# KiCad board H.A.V.O.C. PCB V 1.0.kicad_pcb
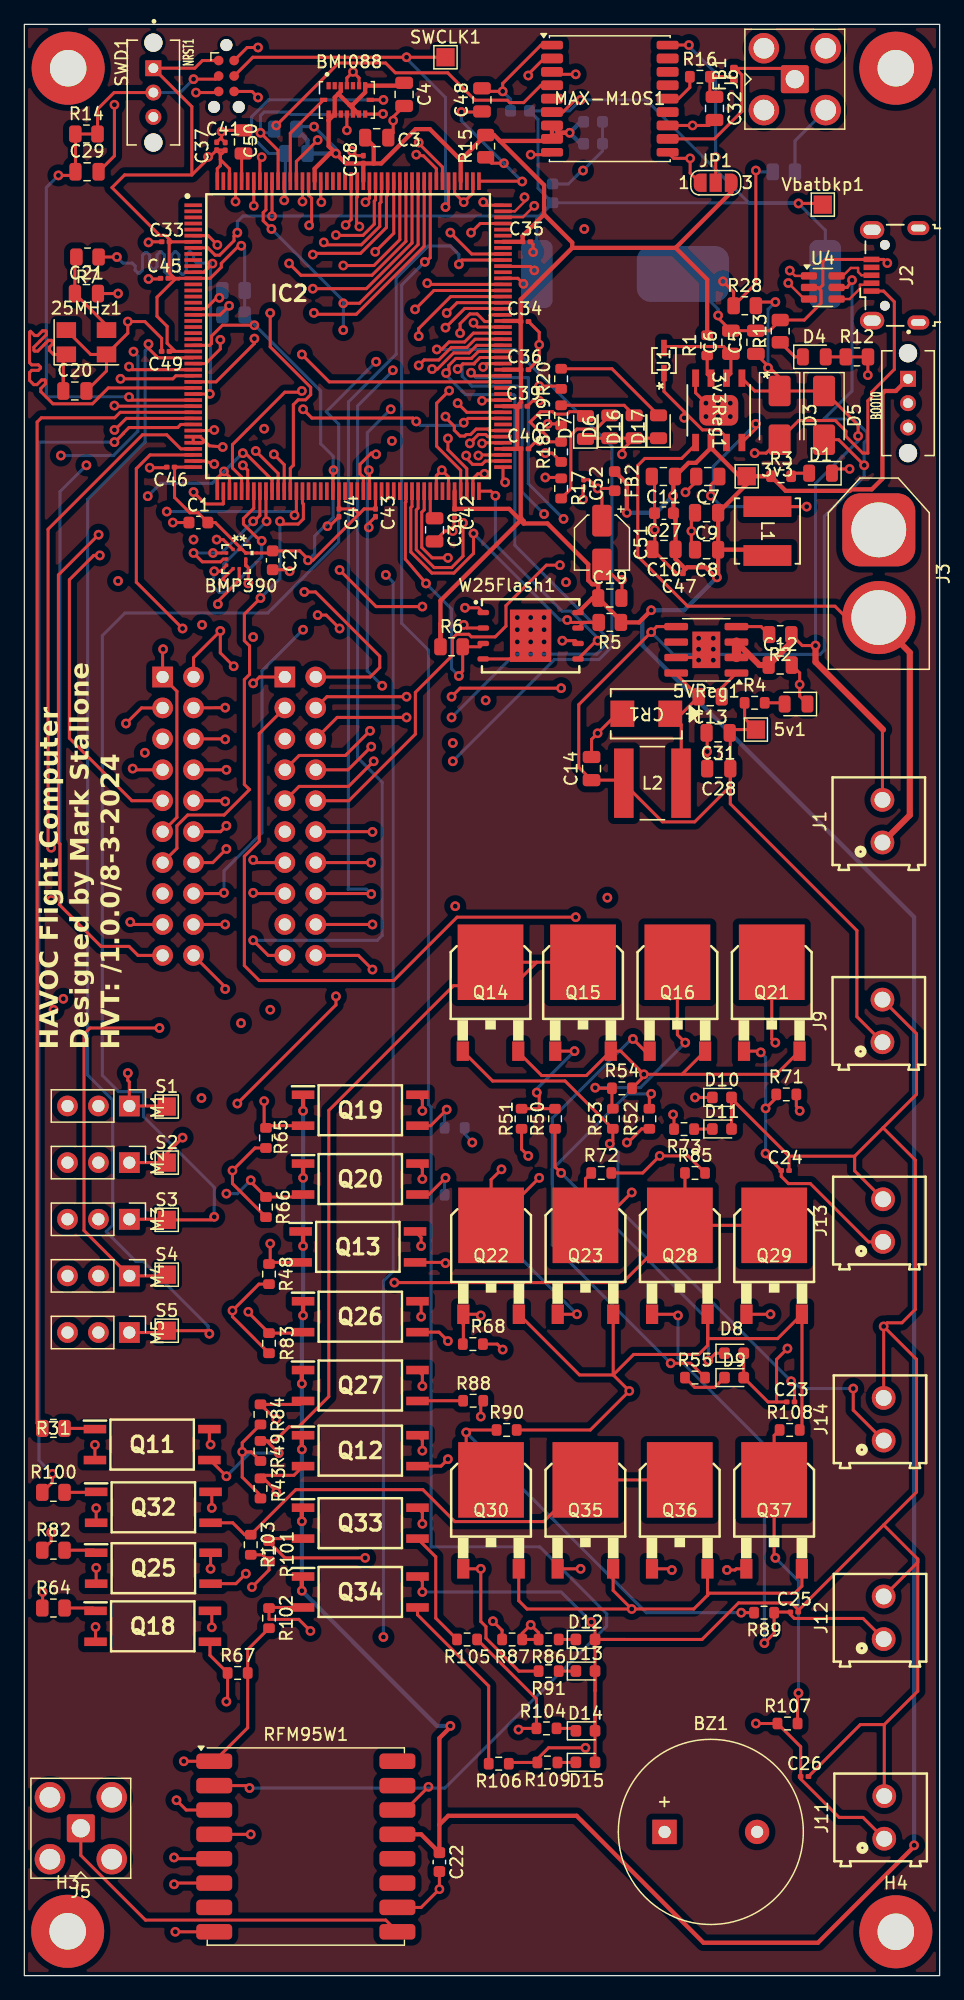
[diagram p0: board, top side]
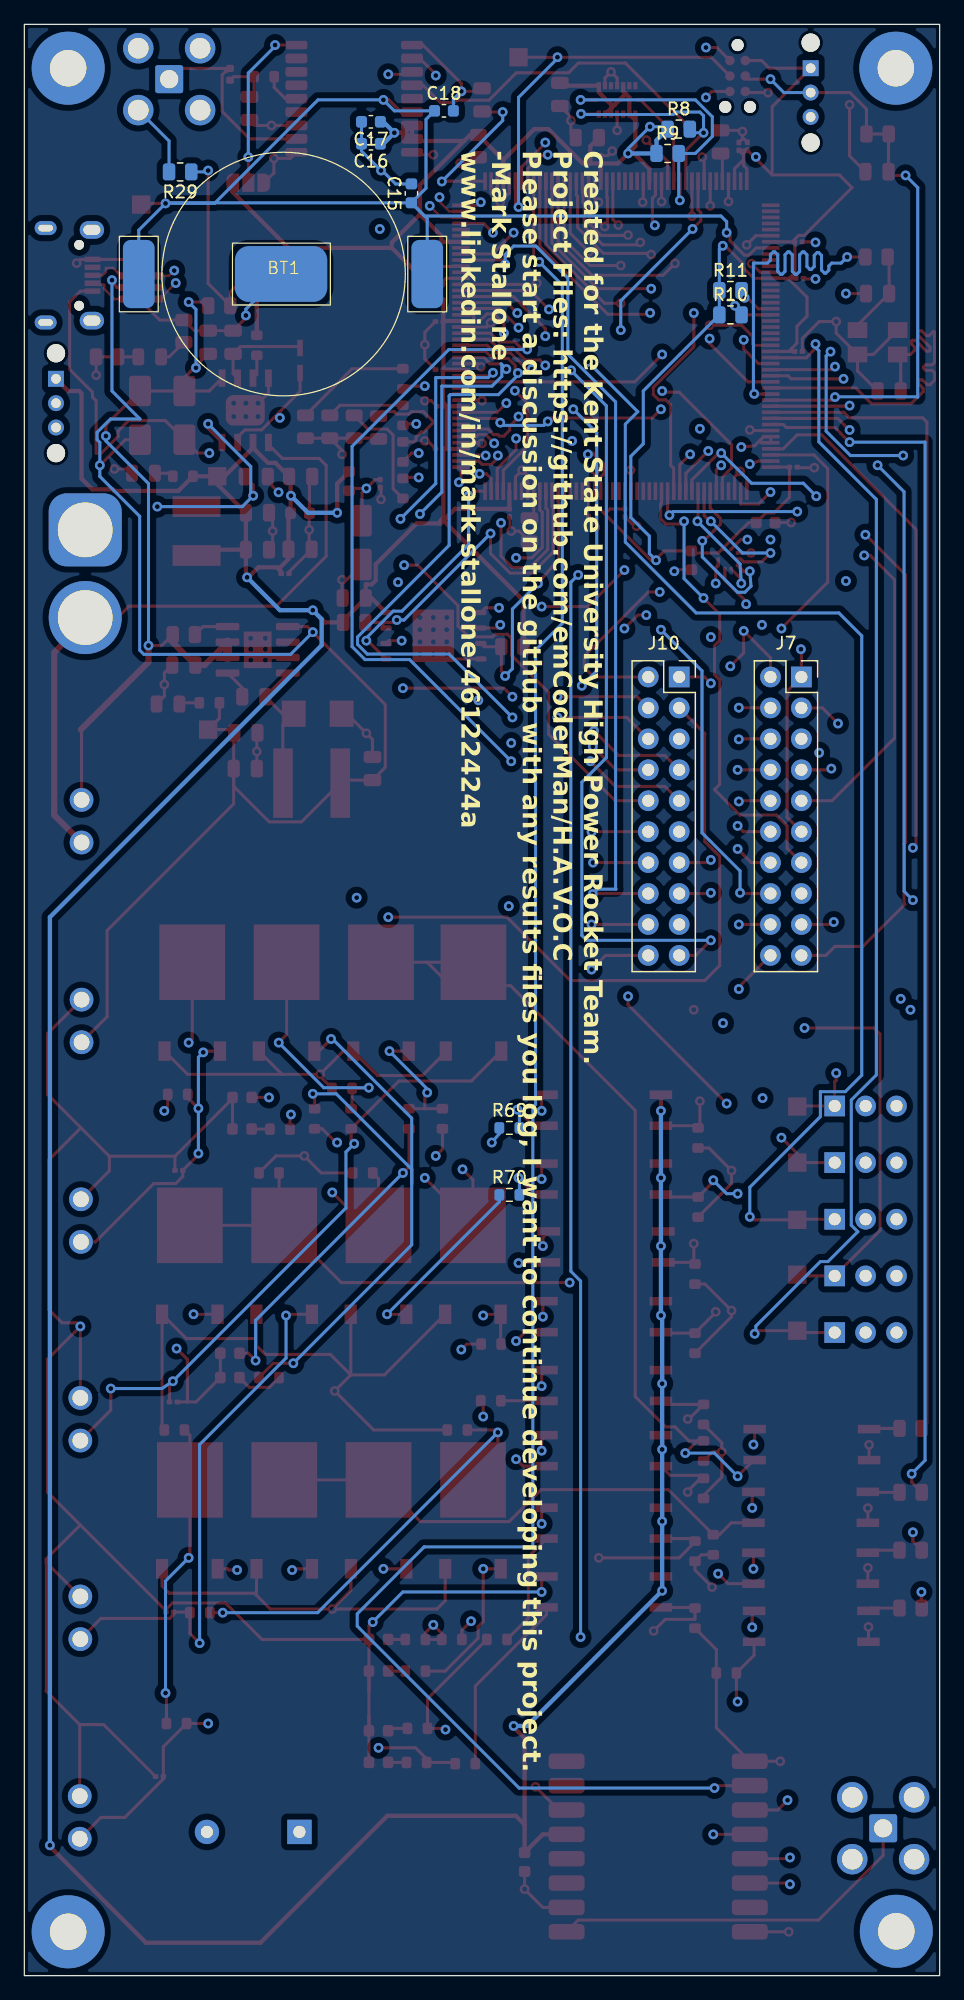
[diagram p1: board, bottom side, seen from below]

Outline 75.2 x 160.2 mm; copper layers: Top, GND (plane), In2.Cu, In3.Cu, GND2 (plane), Bottom. Coordinates in mm from the lower left corner of the outline.
Outline path: rectangle 0,160.2 75.2,0
Stack: Top 0.035mm / dielectric 0.203mm FR4 er 4.5 / GND 0.03mm / dielectric 0.25mm FR4 er 4.5 / In2.Cu 0.03mm / dielectric 0.203mm FR4 er 4.5 / dielectric 0.203mm FR4 er 4.5 / dielectric 0.203mm FR4 er 4.5 / In3.Cu 0.03mm / dielectric 0.25mm FR4 er 4.5 / GND2 0.03mm / dielectric 0.203mm FR4 er 4.5 / Bottom 0.035mm

## Placement (name value [footprint] x y rotation side)
3v3  3v3  [TestPoint_Pad_1.5x1.5mm]  59.35 123.1 0 top
3v3Reg1  NCV891330PD33R2G  [SOIC8_3P9X4P9_ONS]  57.05 128.51 270 top
5v1  5V  [TestPoint_Pad_1.5x1.5mm]  60.1 102.3 0 top
5VReg1  ADP2303ARDZ-5.0  [SOIC-8-1EP_3.9x4.9mm_P1.27mm_EP2.29x3mm]  56.03 108.85 180 top
25MHz1  25MHz-X503225MSB4SI  [Crystal_SMD_5032-4Pin_5.0x3.2mm]  5.1 134.1 0 top
BMI088  BMI088  [PQFN50P450X300X100-16N]  26.5 154 0 top
BMP390  BMP390  [10LGA_2X2X0p75_BOS]  17.4 116.3 270 top
BOOT0  OS102011MS2QN1  [SW_OS102011MS2QN1]  72.6 129.1 270 top
BT1  CR-2032  [cr 2032 holder]  53.9 139.7 180 bottom
BZ1  Buzzer  [Buzzer_15x7.5RM7.6]  52.6 11.8 0 top
C1  100nF  [C_0603_1608Metric]  14.3 119.3 0 top
C2  100nF  [C_0603_1608Metric]  20.4 116.2 270 top
C3  100 nF  [C_0805_2012Metric]  28.95 150.9 0 top
C4  100 nF  [C_0805_2012Metric]  31.2 154.45 270 top
C5  4.7 uF  [C_0805_2012Metric]  60.1 134.1 90 top
C6  .1 uF  [C_0805_2012Metric]  58.05 134.1 90 top
C7  .1 uF  [C_0805_2012Metric]  56.15 123.08 180 top
C8  10 uF  [C_0805_2012Metric]  56.05 117.07 180 top
C9  10 uF  [C_0805_2012Metric]  56.05 120.1 180 top
C10  10 uF  [C_0805_2012Metric]  52.55 117.1 180 top
C11  .1 uF  [C_0805_2012Metric]  52.5 123.08 180 top
C12  10 uF  [C_0805_2012Metric]  62.1 107.6 0 top
C13  0.1 uF  [C_0805_2012Metric]  56.35 105 180 top
C14  47 uF  [C_0805_2012Metric]  46.6 99.1 90 top
C15  1 uF  [C_0603_1608Metric]  43.4 146.32 90 bottom
C16  1uF  [C_0603_1608Metric]  46.72 150.4 0 bottom
C17  1uF  [C_0603_1608Metric]  46.72 152.2 0 bottom
C18  10uF  [C_0603_1608Metric]  40.72 153.1 180 bottom
C19  100nF  [C_0805_2012Metric]  48.1 113.1 0 top
C20  12pF  [C_0805_2012Metric]  4.15 130.1 0 top
C21  12pF  [C_0805_2012Metric]  5.1 138.1 0 top
C22  10uF  [C_0603_1608Metric]  34.1 9.32 270 top
C23  1uF  [C_0201_0603Metric]  62.95 47.1 180 top
C24  1uF  [C_0201_0603Metric]  62.5 66.1 0 top
C25  1uF  [C_0201_0603Metric]  63.25 29.85 0 top
C26  1uF  [C_0201_0603Metric]  64.1 16.35 0 top
C27  1uF  [C_0603_1608Metric]  52.55 120.07 180 top
C28  10 uF  [C_0805_2012Metric]  57.05 99.1 180 top
C29  100nF  [C_0805_2012Metric]  5.15 148.1 0 top
C30  2.2uF  [C_0805_2012Metric]  33.7 118.7 270 top
C31  10 uF  [C_0805_2012Metric]  57 102.03 180 top
C32  47pF  [C_0805_2012Metric]  56.7 153.3 270 top
C33  100nF  [C_0201_0603Metric]  11.6 142.35 180 top
C34  100nF  [C_0201_0603Metric]  41.1 135.8 0 top
C35  100nF  [C_0201_0603Metric]  41.25 142.35 0 top
C36  100nF  [C_0201_0603Metric]  41.1 131.85 0 top
C37  100nF  [C_0201_0603Metric]  15.8 150.2 90 top
C38  100nF  [C_0201_0603Metric]  27.85 149.1 90 top
C39  100nF  [C_0201_0603Metric]  41 128.85 0 top
C40  100nF  [C_0201_0603Metric]  41.1 125.35 0 top
C41  100nF  [C_0201_0603Metric]  16.5 150.18 90 top
C42  100nF  [C_0201_0603Metric]  35.35 120.1 270 top
C43  100nF  [C_0201_0603Metric]  28.85 120.1 270 top
C44  100nF  [C_0201_0603Metric]  25.85 120.1 270 top
C45  100nF  [C_0201_0603Metric]  11.5 139.35 180 top
C46  100nF  [C_0201_0603Metric]  12.02 123.85 180 top
C47  100nF  [C_0201_0603Metric]  53.78 115.1 180 top
C48  2.2uF  [C_0805_2012Metric]  37.6 154 90 top
C49  100nF  [C_0201_0603Metric]  11.6 133.35 180 top
C50  2.2uF  [C_0805_2012Metric]  18 150.55 90 top
C51  1uF  [CP_Elec_4x5.4]  47.45 117.65 270 top
C52  100nF  [C_0201_0603Metric]  45.95 122.5 270 top
CR1  SSB43L-E3/52T  [DIODE_DO214AA_MBRS]  51.1 103.6 180 top
D1  GREEN-3v3  [LED_0805_2012Metric]  65.41 123.35 180 top
D2  RED-5V  [LED_0805_2012Metric]  63.4 104.4 180 top
D3  B150-E3  [D_SMA]  62.05 128.1 270 top
D4  YELLOW  [LED_0805_2012Metric]  64.9 132.9 0 top
D5  B150-E3  [D_SMA]  65.7 128.1 270 top
D6  G-STATUS1  [LED_0805_2012Metric]  48.1 127.16 90 top
D7  O-STATUS2  [LED_0805_2012Metric]  46.1 127.1 90 top
D8  PYRO_FIRE_R  [LED_0603_1608Metric]  58.31 51.1 0 top
D9  PYRO_CONT_G  [LED_0603_1608Metric]  58.31 49.1 0 top
D10  PYRO_FIRE_R  [LED_0603_1608Metric]  57.31 72.1 0 top
D11  PYRO_CONT_G  [LED_0603_1608Metric]  57.31 69.51 0 top
D12  PYRO_FIRE_R  [LED_0603_1608Metric]  46.1 27.6 0 top
D13  PYRO_CONT_G  [LED_0603_1608Metric]  46.1 25.01 0 top
D14  PYRO_FIRE_R  [LED_0603_1608Metric]  46.1 20.1 0 top
D15  PYRO_CONT_G  [LED_0603_1608Metric]  46.1 17.51 0 top
D16  B-STATUS3  [LED_0805_2012Metric]  50.1 127.16 90 top
D17  R-STATUS4  [LED_0805_2012Metric]  52.1 127.16 90 top
FB1  2.66  [L_0402_1005Metric]  58.3 156.1 90 top
FB2  FCM1608KF-601T05  [L_0603_1608Metric]  48.5 122.7 270 top
H1  MountingHole_Pad  [MountingHole_3mm_Pad]  3.6 156.6 0 top
H2  MountingHole_Pad  [MountingHole_3mm_Pad]  71.6 156.6 0 top
H3  MountingHole_Pad  [MountingHole_3mm_Pad]  3.56 3.64 0 top
H4  MountingHole_Pad  [MountingHole_3mm_Pad]  71.6 3.6 0 top
IC2  STM32H755IIT6  [QFP50P2600X2600X160-176N]  26.6 134.6 0 top
J1  SWITCH_MAIN_POWER  [691214110002]  70.5 94.78 90 top
J2  USB_B_Micro  [USB_Micro-B_Wuerth_629105150521]  71.5 139.6 90 top
J3  XT60-M  [AMASS_XT60-M_1x02_P7.20mm_Vertical]  70.2 118.7 270 top
J5  Conn_Coaxial  [SMA_Amphenol_901-143_Horizontal]  4.64 12.1 90 top
J6  Conn_Coaxial  [SMA_Amphenol_901-143_Horizontal]  63.3 155.7 0 top
J7  Conn_02x10_Top_Bottom  [PinSocket_2x10_P2.54mm_Vertical]  11.36 106.62 180 bottom
J9  SWITCH_PYRO_ARM  [691214110002]  70.5 78.38 90 top
J10  Conn_02x10_Top_Bottom  [PinSocket_2x10_P2.54mm_Vertical]  21.4 106.62 180 bottom
J11  AUX2  [691214110002]  70.65 12.99 90 top
J12  AUX1  [691214110002]  70.6 29.38 90 top
J13  MAIN  [691214110002]  70.55 61.99 90 top
J14  DROGUE  [691214110002]  70.6 45.68 90 top
JP1  SolderJumper_3_Open  [SolderJumper-3_P1.3mm_Open_RoundedPad1.0x1.5mm_NumberLabels]  56.8 147.2 0 top
L1  3.3 uH  [IND_NRS5030_TAY]  61.05 118.6 270 top
L2  NR6028T4R7M  [IND_NR6028T4R7M]  51.6 97.9 0 top
M1  SERVO1  [PinHeader_1x03_P2.54mm_Vertical]  8.62 71.4 270 top
M2  SERVO2  [PinHeader_1x03_P2.54mm_Vertical]  8.62 66.75 270 top
M3  SERVO3  [PinHeader_1x03_P2.54mm_Vertical]  8.62 62.1 270 top
M4  SERVO4  [PinHeader_1x03_P2.54mm_Vertical]  8.62 57.45 270 top
M5  SERVO5  [PinHeader_1x03_P2.54mm_Vertical]  8.62 52.8 270 top
MAX-M10S1  MAX-M10S  [ublox_MAX]  48.1 154.1 0 top
NRST1  OS102011MS2QN1  [SW_OS102011MS2QN1]  10.6 154.6 270 top
Q11  VOL617A-3X001T  [SOP254P1015X230-4N]  10.5 43.6 0 top
Q12  VOL617A-3X001T  [SOP254P1015X230-4N]  27.6 43.1 0 top
Q13  VOL617A-3X001T  [SOP254P1015X230-4N]  27.4 59.83 0 top
Q14  AP70T03GH-VB  [D-PAK_TO252AA]  38.3 80.7 0 top
Q15  AP70T03GH-VB  [D-PAK_TO252AA]  45.9 80.7 0 top
Q16  AP70T03GH-VB  [D-PAK_TO252AA]  53.65 80.7 0 top
Q18  VOL617A-3X001T  [SOP254P1015X230-4N]  10.55 28.68 0 top
Q19  VOL617A-3X001T  [SOP254P1015X230-4N]  27.6 71.05 0 top
Q20  VOL617A-3X001T  [SOP254P1015X230-4N]  27.6 65.4 0 top
Q21  AP70T03GH-VB  [D-PAK_TO252AA]  61.41 80.7 0 top
Q22  AP70T03GH-VB  [D-PAK_TO252AA]  38.35 59.1 0 top
Q23  AP70T03GH-VB  [D-PAK_TO252AA]  46.1 59.1 0 top
Q25  VOL617A-3X001T  [SOP254P1015X230-4N]  10.6 33.45 0 top
Q26  VOL617A-3X001T  [SOP254P1015X230-4N]  27.6 54.1 0 top
Q27  VOL617A-3X001T  [SOP254P1015X230-4N]  27.6 48.45 0 top
Q28  AP70T03GH-VB  [D-PAK_TO252AA]  53.85 59.1 0 top
Q29  AP70T03GH-VB  [D-PAK_TO252AA]  61.61 59.1 0 top
Q30  AP70T03GH-VB  [D-PAK_TO252AA]  38.34 38.2 0 top
Q32  VOL617A-3X001T  [SOP254P1015X230-4N]  10.6 38.45 0 top
Q33  VOL617A-3X001T  [SOP254P1015X230-4N]  27.6 37.15 0 top
Q34  VOL617A-3X001T  [SOP254P1015X230-4N]  27.6 31.5 0 top
Q35  AP70T03GH-VB  [D-PAK_TO252AA]  46.09 38.2 0 top
Q36  AP70T03GH-VB  [D-PAK_TO252AA]  53.85 38.2 0 top
Q37  AP70T03GH-VB  [D-PAK_TO252AA]  61.6 38.2 0 top
R1  10k  [R_0603_1608Metric]  56.1 133.85 90 top
R2  100k  [R_0805_2012Metric]  62.1 110.1 180 top
R3  100  [R_0603_1608Metric]  62.17 123.1 0 top
R4  200  [R_0603_1608Metric]  60 104.5 0 top
R5  10k  [R_0805_2012Metric]  48.1 111.1 180 top
R6  10k  [R_0805_2012Metric]  35.1 109.1 0 top
R7  47  [R_0805_2012Metric]  5.19 141.1 180 top
R8  4.7k  [R_0805_2012Metric]  21.44 151.6 180 bottom
R9  4.7k  [R_0805_2012Metric]  22.35 149.6 180 bottom
R10  4.7k  [R_0805_2012Metric]  17.19 136.35 180 bottom
R11  4.7k  [R_0805_2012Metric]  17.19 138.35 180 bottom
R12  10k  [R_0805_2012Metric]  68.4 132.9 0 top
R13  100  [R_0805_2012Metric]  62.1 135.01 90 top
R14  10k  [R_0805_2012Metric]  5.1 151.2 0 top
R15  10k  [R_0805_2012Metric]  37.9 150.2 90 top
R16  33  [R_0603_1608Metric]  55.5 155.9 0 top
R17  200  [R_0603_1608Metric]  44.1 122.1 270 top
R18  200  [R_0603_1608Metric]  44.1 125.1 90 top
R19  200  [R_0603_1608Metric]  44.1 128.1 90 top
R20  200  [R_0603_1608Metric]  44.1 131.1 90 top
R28  1M  [R_0805_2012Metric]  59.19 137.1 0 top
R29  100k  [R_0805_2012Metric]  62.4 148.09 0 bottom
R31  220  [R_0805_2012Metric]  2.39 44.93 0 top
R43  10k  [R_0603_1608Metric]  19.4 40 270 top
R48  10k  [R_0603_1608Metric]  20.1 57.6 270 top
R49  10k  [R_0603_1608Metric]  19.4 43.07 270 top
R50  200  [R_0603_1608Metric]  43.6 70.35 90 top
R51  1k  [R_0603_1608Metric]  40.85 70.35 270 top
R52  2.2k  [R_0603_1608Metric]  51.35 70.35 270 top
R53  1k  [R_0603_1608Metric]  48.35 70.35 90 top
R54  10k  [R_0603_1608Metric]  49.1 72.85 0 top
R55  200  [R_0603_1608Metric]  55.1 49.1 0 top
R64  220  [R_0805_2012Metric]  2.39 30.18 0 top
R65  10k  [R_0603_1608Metric]  19.85 68.77 270 top
R66  10k  [R_0603_1608Metric]  19.85 63.1 270 top
R67  10k  [R_0603_1608Metric]  17.52 24.85 0 top
R68  200  [R_0603_1608Metric]  36.85 51.85 180 top
R69  1k  [R_0603_1608Metric]  35.35 69.6 180 bottom
R70  2.2k  [R_0603_1608Metric]  35.35 64.1 180 bottom
R71  1k  [R_0603_1608Metric]  62.6 72.35 0 top
R72  10k  [R_0603_1608Metric]  47.4 65.9 0 top
R73  200  [R_0603_1608Metric]  54.2 69.5 180 top
R82  220  [R_0805_2012Metric]  2.39 34.93 0 top
R83  10k  [R_0603_1608Metric]  20.1 51.92 270 top
R84  10k  [R_0603_1608Metric]  19.4 46.07 270 top
R85  10k  [R_0603_1608Metric]  55.1 65.9 0 top
R86  200  [R_0603_1608Metric]  43.07 27.6 180 top
R87  1k  [R_0603_1608Metric]  40.07 27.6 180 top
R88  2.2k  [R_0603_1608Metric]  36.88 47.2 180 top
R89  1k  [R_0603_1608Metric]  60.78 29.8 180 top
R90  10k  [R_0603_1608Metric]  39.62 44.8 0 top
R91  200  [R_0603_1608Metric]  43.07 25 180 top
R100  220  [R_0805_2012Metric]  2.39 39.68 0 top
R101  10k  [R_0603_1608Metric]  20.1 34.85 270 top
R102  10k  [R_0603_1608Metric]  20.1 29.35 270 top
R103  10k  [R_0603_1608Metric]  18.6 35.38 270 top
R104  200  [R_0603_1608Metric]  42.9 20.3 180 top
R105  1k  [R_0603_1608Metric]  36.38 27.6 180 top
R106  2.2k  [R_0603_1608Metric]  38.97 17.4 180 top
R107  1k  [R_0603_1608Metric]  62.7 20.7 0 top
R108  10k  [R_0603_1608Metric]  62.88 44.8 0 top
R109  200  [R_0603_1608Metric]  42.97 17.5 180 top
RFM95W1  RFM95W-915S2  [HOPERF_RFM9XW_SMD]  23.12 10.6 0 top
S1  SERVO1  [TestPoint_Pad_1.5x1.5mm]  11.7 71.35 0 top
S2  SERVO2  [TestPoint_Pad_1.5x1.5mm]  11.7 66.75 0 top
S3  SERVO3  [TestPoint_Pad_1.5x1.5mm]  11.7 62.05 0 top
S4  SERVO4  [TestPoint_Pad_1.5x1.5mm]  11.7 57.55 0 top
S5  SERVO5  [TestPoint_Pad_1.5x1.5mm]  11.7 52.95 0 top
SWCLK1  SWCLK  [TestPoint_Pad_1.5x1.5mm]  34.6 157.5 0 top
SWD1  Conn_ARM_SWD_TagConnect_TC2030-NL  [Tag-Connect_TC2030-IDC-NL_2x03_P1.27mm_Vertical]  16.6 155.96 270 top
U1  BAS16HT1G  [SOD_16HT1G_ONS]  52.55 132.6 90 top
U4  USBLC6-2SC6  [SOT-23-6]  65.6 138.6 0 top
Vbatbkp1  Vbckp  [TestPoint_Pad_1.5x1.5mm]  65.6 145.4 0 top
W25Flash1  W25N01GVZEIG_TR  [SON127P800X600X80-9N]  41.59 110 0 top

## Library data of the parts
3v3 5v1 S1-S5 SWCLK1 Vbatbkp1 = -: Description: test point; ki_fp_filters: Pin* Test*
3v3Reg1 = -: ki_fp_filters: SOIC8_3P9X4P9_ONS SOIC8_3P9X4P9_ONS-M SOIC8_3P9X4P9_ONS-L
5VReg1 = -: Datasheet: https://www.analog.com/media/en/technical-documentation/data-sheets/ADP2302_2303.pdf; ki_fp_filters: SOIC*1EP*3.9x4.9mm*P1.27mm*
25MHz1 = -: Description: Four pin crystal, GND on pins 2 and 4; ki_fp_filters: Crystal*
BMI088 = -: MF: Bosch Sensortec; PURCHASE-URL: https://pricing.snapeda.com/search/part/BMI088/?ref=eda; PACKAGE: VFLGA-16 Bosch Sensortec; PRICE: None; AVAILABILITY: In Stock; DESCRIPTION: Accelerometer, Gyroscope, 6 Axis Sensor I²C, SPI Output
BMP390 = -: Datasheet: https://www.bosch-sensortec.com/media/boschsensortec/downloads/datasheets/bst-bmp390-ds002.pdf; Description: Board Mount Pressure Sensors; Height: 0.8; Manufacturer_Name: BOSCH; Mouser Part Number: 262-BMP390; Mouser Price/Stock: https://www.mouser.co.uk/ProductDetail/Bosch-Sensortec/BMP390?qs=QNEnbhJQKvYQVfvRMgo2YA%3D%3D; Arrow Price/Stock: https://www.arrow.com/en/products/bmp390/bosch?region=nac
BOOT0 NRST1 = -: DigiKey_Part_Number: CKN9565-ND; SnapEDA_Link: https://www.snapeda.com/parts/OS102011MS2QN1/C%2526K/view-part/?ref=snap; Description_1: Switch,Slide,Mini,SPDT,ON-ON,Non-Shorting(BBM),100mA,12VDC,ThruHole,PC Pin | C&K OS102011MS2QN1; Package: None; Check_prices: https://www.snapeda.com/parts/OS102011MS2QN1/C%2526K/view-part/?ref=eda; STANDARD: MANUFACTURER RECOMMENDATIONS; MF: C&K; MANUFACTURER: C&K
BZ1 = -: Description: Buzzer, polarized; ki_fp_filters: *Buzzer*
C1-C4 = -: ki_fp_filters: C_*
C5-C21 C27-C31 C48 C50 = -: Description: Unpolarized capacitor; ki_fp_filters: C_*
C22-C26 C32-C47 C49 C52 = -: Description: Unpolarized capacitor, small symbol; ki_fp_filters: C_*
C51 = -: Description: Polarized capacitor; ki_fp_filters: CP_*
CR1 = -: ki_fp_filters: DIODE_DO214AA_MBRS DIODE_DO214AA_MBRS-M DIODE_DO214AA_MBRS-L
D1 D2 D4 D6-D17 = -: Description: Light emitting diode; ki_fp_filters: LED* LED_SMD:* LED_THT:*
D3 D5 = -: Datasheet: http://www.vishay.com/docs/88946/b120.pdf; Description: 50V 1A Schottky Barrier Rectifier Diode, SMA(DO-214AC); ki_fp_filters: D*SMA*
FB1 FB2 = -: Description: Ferrite bead, small symbol; ki_fp_filters: Inductor_* L_* *Ferrite*
H1-H4 = -: Description: Mounting Hole with connection; ki_fp_filters: MountingHole*Pad*
IC2 = -: Datasheet: https://www.st.com/resource/en/datasheet/stm32h755ii.pdf; Description: ARM Microcontrollers - MCU; Height: 1.6; Manufacturer_Name: STMicroelectronics; Mouser Part Number: 511-STM32H755IIT6; Mouser Price/Stock: https://www.mouser.co.uk/ProductDetail/STMicroelectronics/STM32H755IIT6?qs=vLWxofP3U2y54l1JsNdchA%3D%3D; Arrow Price/Stock: https://www.arrow.com/en/products/stm32h755iit6/stmicroelectronics?region=nac
J1 J9 J11 J12 J14 = -: Description: Generic screw terminal, single row, 01x02, script generated (kicad-library-utils/schlib/autogen/connector/); Check_prices: https://www.snapeda.com/parts/691214110002/Wurth+Electronics/view-part/?ref=eda; WIRE: 24 to 16 (AWG) 0.205 to 1.31 (mm²); Description_1: Serie 2141 - 3,50mm pitch - Modular THT - Green - Horizontal cable entry Rising Cage Clamp 8.5mm height - 02p; Package: None; MOUNT: THT; IR-UL: 10A; Availability: In Stock; WORKING-VOLTAGE-UL: 300V (AC); PART-NUMBER: 691214110002; MF: Wurth Electronics; DATASHEET-URL: https://www.we-online.com/redexpert/spec/691214110002?ae; MP: 691214110002; PITCH: 3.5mm; PINS: 2; TYPE: Horizontal; Price: None; SnapEDA_Link: https://www.snapeda.com/parts/691214110002/Wurth+Electronics/view-part/?ref=snap
J2 = -: Description: USB Micro Type B connector; ki_fp_filters: USB*
J3 = -: MF: AMASS; MAXIMUM_PACKAGE_HEIGHT: 16.00 mm; Package: Package; Price: None; Check_prices: https://www.snapeda.com/parts/XT60-M/AMASS/view-part/?ref=eda; STANDARD: IPC 7351B; PARTREV: V1.2; SnapEDA_Link: https://www.snapeda.com/parts/XT60-M/AMASS/view-part/?ref=snap; Description_1: Plug; DC supply; XT60; male; PIN: 2; for cable; soldered; 30A; 500V; Availability: Not in stock; MANUFACTURER: AMASS
J5 J6 = -: Description: coaxial connector (BNC, SMA, SMB, SMC, Cinch/RCA, LEMO, ...); ki_fp_filters: *BNC* *SMA* *SMB* *SMC* *Cinch* *LEMO* *UMRF* *MCX* *U.FL*
J7 J10 = -: Description: Generic connector, double row, 02x10, top/bottom pin numbering scheme (row 1: 1...pins_per_row, row2: pins_per_row+1 ... num_pins), script generated (kicad-library-utils/schlib/autogen/connector/); ki_fp_filters: Connector*:*_2x??_*
J13 = -: Description: Generic screw terminal, single row, 01x02, script generated (kicad-library-utils/schlib/autogen/connector/); ki_fp_filters: TerminalBlock*:*
JP1 = -: Description: Solder Jumper, 3-pole, open; ki_fp_filters: SolderJumper*Open*
L1 = -: Description: Inductor; ki_fp_filters: Choke_* *Coil* Inductor_* L_*
L2 = -: ki_fp_filters: IND_TAIYO_NR6028_TAY
M1-M5 = -: Datasheet: http://forums.parallax.com/uploads/attachments/46831/74481.png; Description: Servo Motor (Futaba, HiTec, JR connector); ki_fp_filters: PinHeader*P2.54mm*
MAX-M10S1 = -: Datasheet: https://content.u-blox.com/sites/default/files/MAX-M10S_DataSheet_UBX-20035208.pdf; Description: GNSS Module MAX M10, VCC 1.65V to 3.6V; ki_fp_filters: ublox?MAX*
Q11-Q13 Q18-Q20 Q25-Q27 Q32-Q34 = -: Datasheet: https://www.vishay.com/docs/82424/vol617a.pdf; Description: Transistor Output Optocouplers Phototransistor Out CTR 100-200% IF=5M; Height: 2.3; Mouser Part Number: 78-VOL617A-3X001T; Mouser Price/Stock: https://www.mouser.co.uk/ProductDetail/Vishay-Semiconductors/VOL617A-3X001T?qs=s4XK1XdnRilgLzp851N9tg%3D%3D; Manufacturer_Name: Vishay
Q14-Q16 Q21-Q23 Q28-Q30 Q35-Q37 = -: Datasheet: https://ngspice.sourceforge.io/docs/ngspice-html-manual/manual.xhtml#cha_MOSFETs; Description: N-MOSFET transistor, drain/source/gate; Sim.Device: NMOS; Sim.Type: VDMOS; Sim.Pins: 1=D 2=G 3=S
R1-R20 R31 R64 R82 R100 = -: Description: Resistor; ki_fp_filters: R_*
R28 R29 R43 R48-R55 R65-R73 R83-R91 R101-R109 = -: Description: Resistor, small symbol; ki_fp_filters: R_*
RFM95W1 = -: Datasheet: https://www.hoperf.com/data/upload/portal/20181127/5bfcbea20e9ef.pdf; Description: Low power long range transceiver module, SPI and parallel interface, 915 MHz, spreading factor 6 to12, bandwidth 7.8 to 500kHz, -111 to -148 dBm, SMD-16, DIP-16; ki_fp_filters: HOPERF*RFM9XW*
SWD1 = -: Datasheet: https://www.tag-connect.com/wp-content/uploads/bsk-pdf-manager/TC2030-CTX_1.pdf; Description: Tag-Connect ARM Cortex SWD JTAG connector, 6 pin, no legs; ki_fp_filters: *TC2030*
U1 = -: ki_fp_filters: SOD_16HT1G_ONS SOD_16HT1G_ONS-M SOD_16HT1G_ONS-L
U4 = -: Datasheet: https://www.st.com/resource/en/datasheet/usblc6-2.pdf; Description: Very low capacitance ESD protection diode, 2 data-line, SOT-23-6; ki_fp_filters: SOT?23*
W25Flash1 = -: MF: Winbond Electronics; DESCRIPTION: Ic Flash 1gbit 104mhz 8wson; PACKAGE: WSON-8 Winbond; PRICE: None; Package: WSON-8 Winbond; Check_prices: https://www.snapeda.com/parts/W25N01GVZEIG%20TR/Winbond+Electronics/view-part/?ref=eda; STANDARD: IPC7351B; SnapEDA_Link: https://www.snapeda.com/parts/W25N01GVZEIG%20TR/Winbond+Electronics/view-part/?ref=snap; MP: W25N01GVZEIG TR; Purchase-URL: https://www.snapeda.com/api/url_track_click_mouser/?unipart_id=1101444&manufacturer=Winbond Electronics&part_name=W25N01GVZEIG TR&search_term=None; Description_1: FLASH - NAND Memory IC 1Gb (128M x 8) SPI 104 MHz 8-WSON (8x6); Availability: In Stock; Price: None; MANUFACTURER: Winbond Electronics
